# Altium PCB FLY_PCB1.PcbDoc
Units mm, origin at the board's own origin, x right, y up, seen from the top; angles counter-clockwise.
Board outline 100 x 100 mm, 2 copper layers (Top Layer, Bottom Layer), stack 0.533 mm thick; 121 components, 88 nets, 390 pads, 557 vias.
Unrouted connection lines stored in the file: 59.
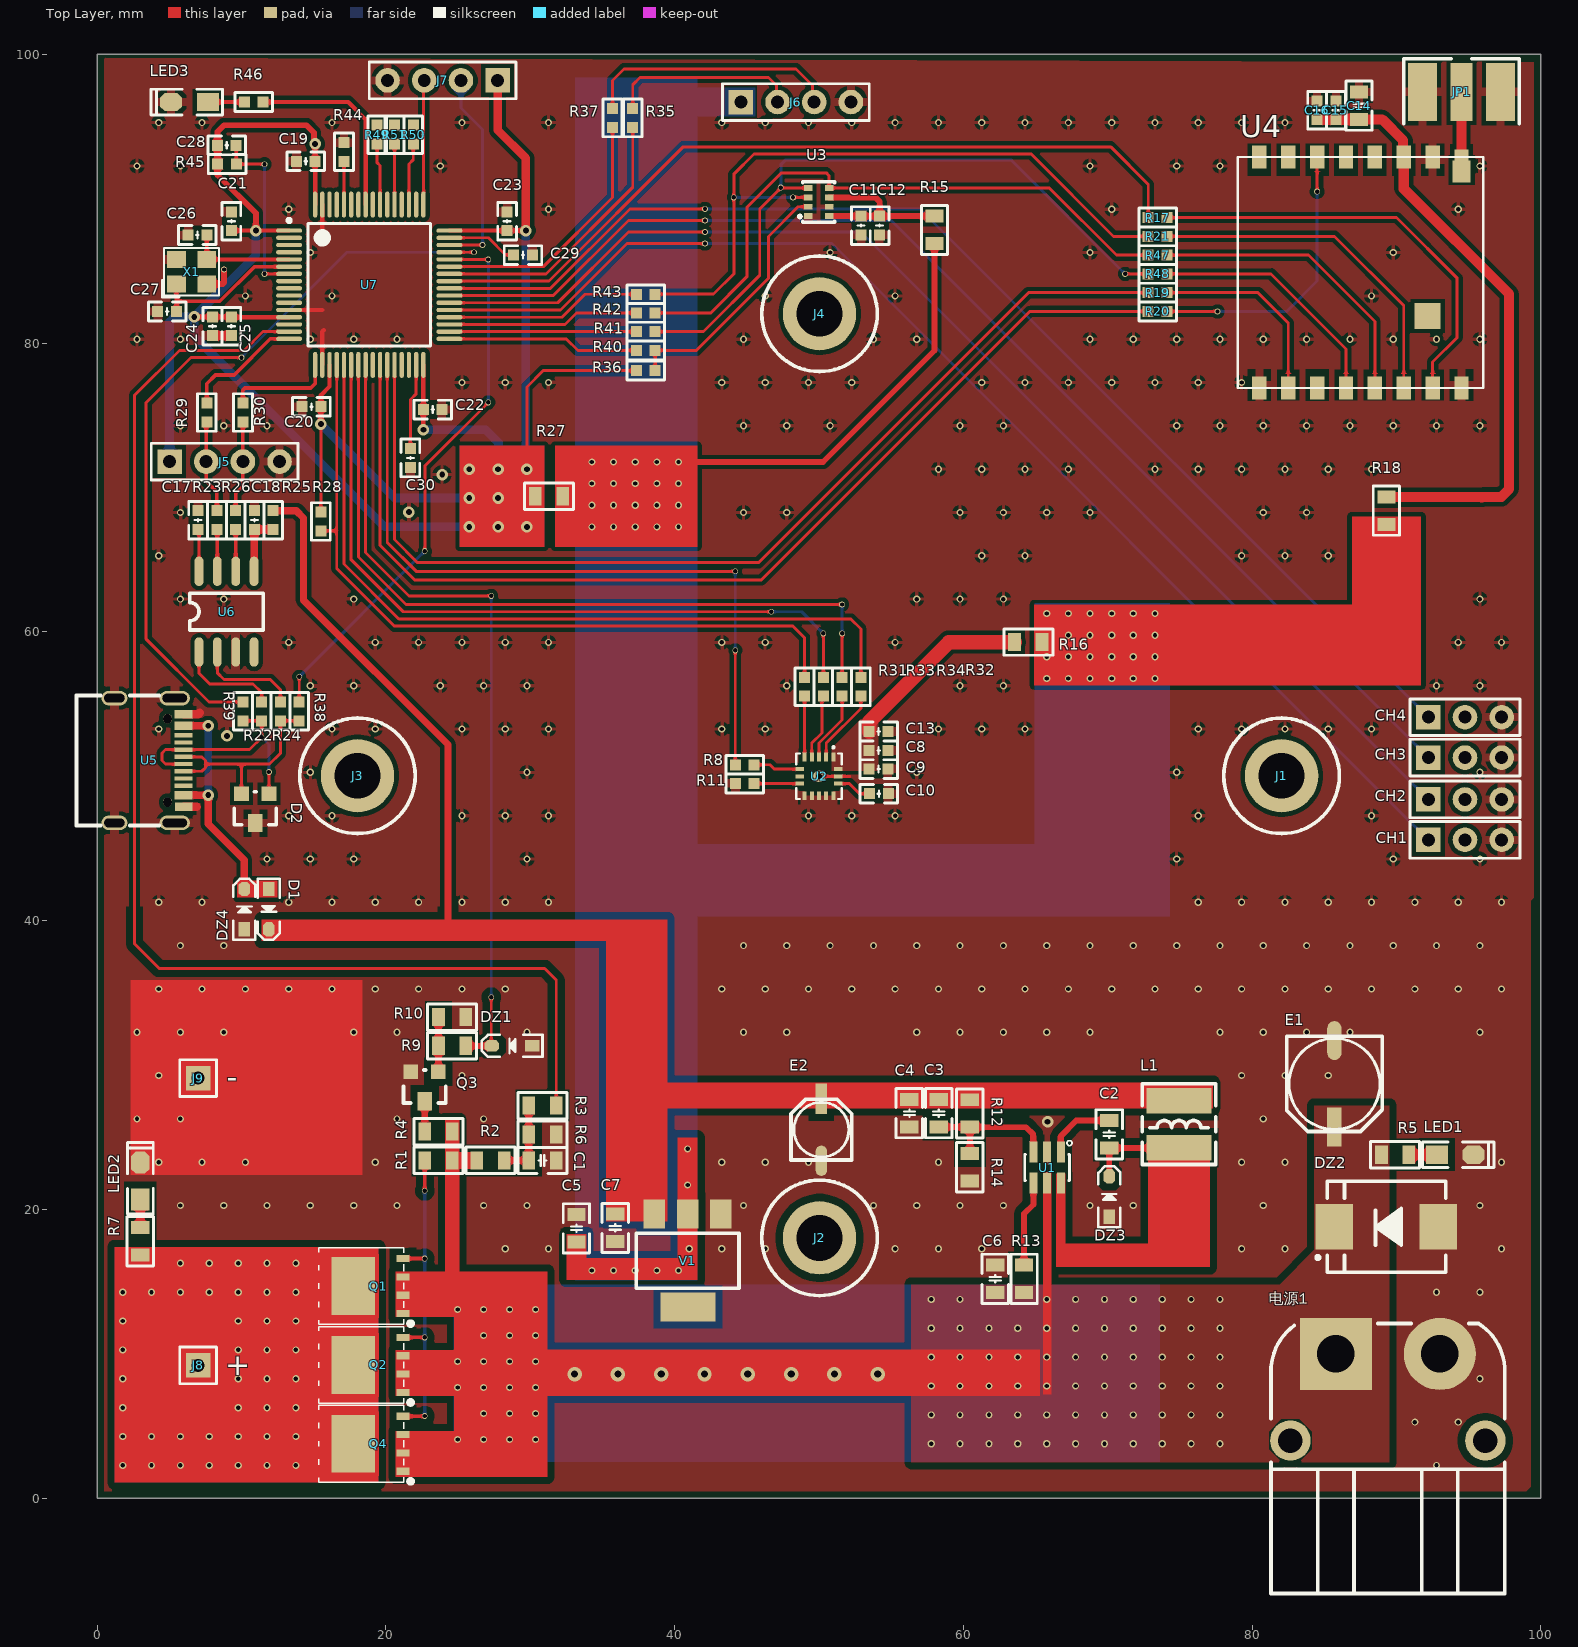
[diagram p0: Top Layer view]
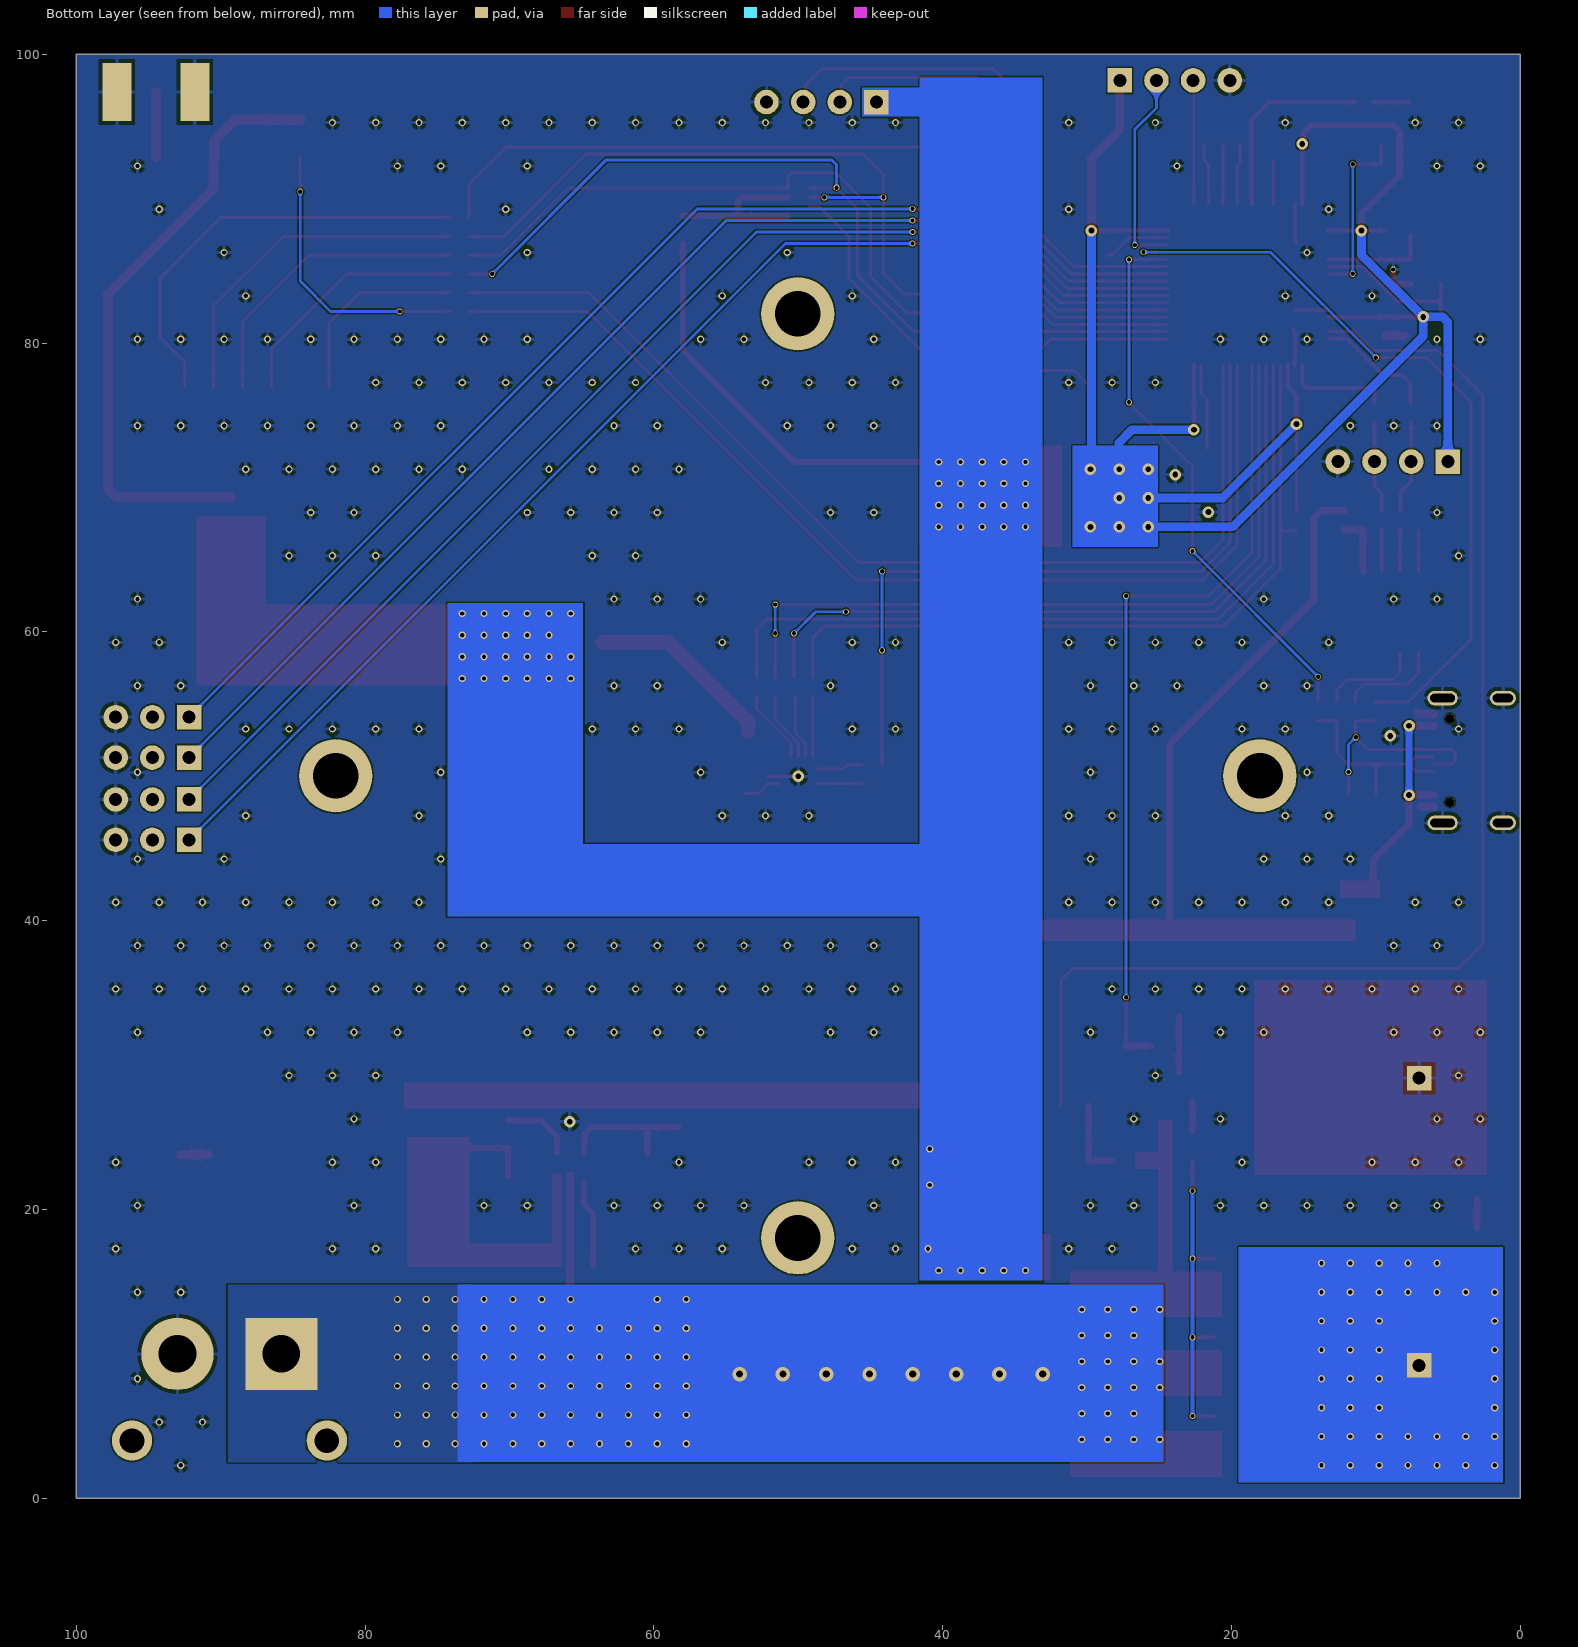
[diagram p1: Bottom Layer view, seen from below]

## Layer stack, top to bottom
Top Solder: solder mask 0.0102, Solder Resist, Dk 3.5
Top Layer: signal copper 0.0356
Dielectric 2: prepreg 0.0711, PP-006, Dk 4.1
Dielectric 1: dielectric 0.32, FR-4, Dk 4.8
Dielectric 3: prepreg 0.0711, PP-006, Dk 4.1
Bottom Layer: signal copper 0.0356
Bottom Solder: solder mask 0.0102, Solder Resist, Dk 3.5

## Board outline
0,0 100,0 100,100 0,100

## Design rules (kind name [scope] priority, off if disabled: settings)
Clearance Clearance_23 [InNamedPolygon('NONET_L01_P008')] p1: gap=0.3 ignorepadtopadclearanceinfootprint=FALSE
Clearance Clearance_22 [InNamedPolygon('GND_L01_P007')] p2: gap=0.3 ignorepadtopadclearanceinfootprint=FALSE
Clearance Clearance_21 [InNamedPolygon('GND_L02_P007')] p3: gap=0.5 ignorepadtopadclearanceinfootprint=FALSE
Clearance Clearance_20 [InNamedPolygon('GND_L01_P006')] p4: gap=0.5 ignorepadtopadclearanceinfootprint=FALSE
Clearance Clearance_19 [InNamedPolygon('GND_L01_P006')] p5: gap=0.8 ignorepadtopadclearanceinfootprint=FALSE
Clearance Clearance_18 [InNamedPolygon('GND_L01_P006')] p6: gap=0.5 ignorepadtopadclearanceinfootprint=FALSE
Clearance Clearance_17 [InNamedPolygon('GND_L01_P006')] p7: gap=0.3 ignorepadtopadclearanceinfootprint=FALSE
Clearance Clearance_16 [InNamedPolygon('GND_L01_P005')] p8: gap=0.27 ignorepadtopadclearanceinfootprint=FALSE
Clearance Clearance_15 [InNamedPolygon('GND_L01_P005')] p9: gap=0.26 ignorepadtopadclearanceinfootprint=FALSE
Clearance Clearance_14 [OnLayer('Mechanical 1')] p10: gap=5 ignorepadtopadclearanceinfootprint=FALSE
Clearance Clearance_13 [OnLayer('Keep-Out Layer')] p11: gap=5 ignorepadtopadclearanceinfootprint=FALSE
Clearance Clearance_12 [InNamedPolygon('GND_L01_P004')] p12: gap=0.26 ignorepadtopadclearanceinfootprint=FALSE
Clearance Clearance_11 [InNamedPolygon('GND_L01_P004')] p13: gap=0.3 ignorepadtopadclearanceinfootprint=FALSE
Clearance Clearance_10 [InNamedPolygon('3V3_ICM_L01_P002')] p14: gap=0.15 ignorepadtopadclearanceinfootprint=FALSE
Clearance Clearance_9 [InNamedPolygon('3V3_ICM_L01_P002')] p15: gap=0.2 ignorepadtopadclearanceinfootprint=FALSE
Clearance Clearance_8 [InNamedPolygon('GND_L01_P003')] p16: gap=0.3 ignorepadtopadclearanceinfootprint=FALSE
Clearance Clearance_7 [InNamedPolygon('GND_L01_P003')] p17: gap=0.254 ignorepadtopadclearanceinfootprint=FALSE
Clearance Clearance_6 [InNamedPolygon('GND_L01_P003')] p18: gap=0.2 ignorepadtopadclearanceinfootprint=FALSE
Clearance Clearance_5 [InNamedPolygon('3V3_ICM_L01_P002')] p19: gap=0.254 ignorepadtopadclearanceinfootprint=FALSE except(0: Arc-Hole Track-Hole SMDPad-Hole THPad-Hole Via-Hole Fill-Hole Poly-Hole Region-Hole Text-Hole)
Clearance Clearance_4 [InNamedPolygon('3V3_ICM_L01_P002')] p20: gap=0.2 ignorepadtopadclearanceinfootprint=FALSE
Clearance Clearance_3 [InNamedPolygon('3V3_ICM_L01_P002')] p21: gap=0.2 ignorepadtopadclearanceinfootprint=FALSE
Clearance Clearance_2 [InNamedPolygon('GND_L01_P003')] p22: gap=0.3 ignorepadtopadclearanceinfootprint=FALSE
Clearance Clearance_1 [InNamedPolygon('3V3_ICM_L01_P002')] p23: gap=0.2 ignorepadtopadclearanceinfootprint=FALSE
Clearance [All] p24: gap=0.1 ignorepadtopadclearanceinfootprint=FALSE
HoleSize [All] p1: absolutevalues=TRUE maxlimit=10 minlimit=0.025 maxpercent=80.000 minpercent=20.000
MinimumSolderMaskSliver [All] p1: minsoldermaskwidth=0.15
PlaneConnect [All] p1: planeconnectstyle=Direct reliefexpansion=0.508 reliefentries=4 reliefconductorwidth=0.254 reliefairgap=0.254
PolygonConnect PolygonConnect_11 [All vs IsNamedPolygon('NONET_L01_P008')] p1: thpad.connectstyle=Relief thpad.reliefconductorwidth=0.6 thpad.reliefentries=4 thpad.polygonreliefangle="90 Angle" thpad.airgapwidth=0.3 smdpad.connectstyle=Relief smdpad.reliefconductorwidth=0.6 smdpad.reliefentries=4 smdpad.polygonreliefangle="90 Angle" smdpad.airgapwidth=0.3 via.connectstyle=Relief via.reliefconductorwidth=0.254 via.reliefentries=4 via.polygonreliefangle="90 Angle" via.airgapwidth=0.254
PolygonConnect PolygonConnect_10 [All vs IsNamedPolygon('GND_L01_P007')] p2: thpad.connectstyle=Relief thpad.reliefconductorwidth=0.6 thpad.reliefentries=4 thpad.polygonreliefangle="90 Angle" thpad.airgapwidth=0.3 smdpad.connectstyle=Relief smdpad.reliefconductorwidth=0.6 smdpad.reliefentries=4 smdpad.polygonreliefangle="90 Angle" smdpad.airgapwidth=0.3 via.connectstyle=Relief via.reliefconductorwidth=0.254 via.reliefentries=4 via.polygonreliefangle="90 Angle" via.airgapwidth=0.254
PolygonConnect PolygonConnect_9 [All vs IsNamedPolygon('GND_L02_P007')] p3: connectstyle=Direct reliefconductorwidth=0.254 reliefentries=4 polygonreliefangle="90 Angle" airgapwidth=0.254
PolygonConnect PolygonConnect_8 [All vs IsNamedPolygon('GND_L01_P006')] p4: connectstyle=Direct reliefconductorwidth=0.254 reliefentries=4 polygonreliefangle="90 Angle" airgapwidth=0.254
PolygonConnect PolygonConnect_7 [All vs IsNamedPolygon('GND_L01_P005')] p5: connectstyle=Direct reliefconductorwidth=0.254 reliefentries=4 polygonreliefangle="90 Angle" airgapwidth=0.254
PolygonConnect PolygonConnect_6 [All vs IsNamedPolygon('GND_L01_P004')] p6: connectstyle=Direct reliefconductorwidth=0.254 reliefentries=4 polygonreliefangle="90 Angle" airgapwidth=0.254
PolygonConnect PolygonConnect_5 [All vs IsNamedPolygon('GND_L01_P003')] p7: connectstyle=Direct reliefconductorwidth=0.254 reliefentries=4 polygonreliefangle="90 Angle" airgapwidth=0.254
PolygonConnect PolygonConnect_4 [All vs IsNamedPolygon('3V3_ICM_L01_P002')] p8: connectstyle=Direct reliefconductorwidth=0.254 reliefentries=4 polygonreliefangle="90 Angle" airgapwidth=0.254
PolygonConnect PolygonConnect_3 [All vs IsNamedPolygon('3V3_ICM_L01_P002')] p9: connectstyle=Direct reliefconductorwidth=0.254 reliefentries=4 polygonreliefangle="90 Angle" airgapwidth=0.254
PolygonConnect PolygonConnect_2 [All vs IsNamedPolygon('12V_L02_P001')] p10: connectstyle=Direct reliefconductorwidth=0.254 reliefentries=4 polygonreliefangle="90 Angle" airgapwidth=0.254
PolygonConnect PolygonConnect_1 [All vs IsNamedPolygon('12V_L01_P000')] p11: connectstyle=Direct reliefconductorwidth=0.254 reliefentries=4 polygonreliefangle="90 Angle" airgapwidth=0.254
PolygonConnect [All] p12: connectstyle=Relief reliefconductorwidth=0.254 reliefentries=4 polygonreliefangle="90 Angle" airgapwidth=0.254
RoutingVias [All] p1: holewidth=0.2 width=0.3 viastyle="Through Hole" minholewidth=0.15 minwidth=0.25 maxholewidth=0.711 maxwidth=1.27
SilkToSilkClearance [All] p1: silktosilkclearance=0
SilkToSolderMaskClearance [IsPad] p1: minsilkscreentomaskgap=0 clearancetoexposedcopper=TRUE
SolderMaskExpansion [All] p1: expansion=0.102 istentingtop=FALSE
Width [All] p1: maxlimit=10 minlimit=0.1 preferedwidth=0.254
25 further rules are at their usual default settings.

## Classes and differential pairs
component class SENSOR: C8 C9 C10 C11 C12 C13 R8 R11 R15 R16 U2 U3
component class POWER: 1.3 C1 C2 C3 C4 C5 C6 C7 DZ1 DZ2 DZ3 E1 E2 J1 J2 J3 J4 J8 J9 L1 LED1 LED2 Q1 Q2 Q3 Q4 R1 R2 R3 R4 R5 R6 R7 R9 R10 R12 R13 R14 U1 V1 电源1
component class MCU: 1.3 C19 C20 C21 C22 C23 C24 C25 C26 C27 C28 C29 C30 CH1 CH2 CH3 CH4 J6 J7 LED3 R27 R28 R29 R30 R31 R32 R33 R34 R35 R36 R37 R38 R39 R40 R41 R42 R43 R44 R45 R46 R49 R50 R51 U7 X1
component class COMMUNICATION: C14 C15 C16 C17 C18 D1 D2 DZ4 J5 JP1 R17 R18 R19 R20 R21 R22 R23 R24 R25 R26 R47 R48 U4 U5 U6

## Components (designator, comment, footprint, x,y, rotation, side; value= is the part's Value field where it differs from the comment)
C1 "100nF" "C 0805_L" 30.85,23.4 r180 top
C2 "100nF" "C 0805_L" 70.104,25.211 r90 top
C3 "100pF" "C 0805_L" 58.293,26.67 r90 top
C4 "22uF" "C 0805_L" 56.261,26.67 r90 top
C5 "22uF" "C 0805_L" 33.2,18.7 r270 top
C6 "10uF" "C 0805_L" 62.2,15.2 r270 top
C7 "10uF" "C 0805_L" 35.885,18.73 r90 top
C8 "100nF" "C 0603_L" 54.127,51.8 r180 top
C9 "2.2uF" "C 0603_L" 54.127,50.5 r180 top
C10 "100nF" "C 0603_L" 54.15,48.8 r180 top
C11 "100nF" "C 0603_L" 52.9,88.15 r270 top
C12 "100nF" "C 0603_L" 54.2,88.15 r270 top
C13 "10nF" "C 0603_L" 54.127,53.1 r180 top
C14 "22uF" "C 0805_L" 87.4,96.45 r270 top
C15 "100nF" "C 0603_L" 85.8,96.127 r270 top
C16 "100uF" "C 0603_L" 84.5,96.127 r270 top
C17 "100nF" "C 0603_L" 7,67.75 r270 top
C18 "100nF" "C 0603_L" 10.9,67.75 r90 top
C19 "100nF" "C 0603_L" 14.45,92.6 r0 top
C20 "100nF" "C 0603_L" 14.85,75.6 r0 top
C21 "100nF" "C 0603_L" 9.3,88.45 r270 top
C22 "100nF" "C 0603_L" 23.25,75.4 r180 top
C23 "100nF" "C 0603_L" 28.4,88.45 r270 top
C24 "4.7uF" "C 0603_L" 8,81.173 r90 top
C25 "100nF" "C 0603_L" 9.3,81.173 r90 top
C26 "12pF" "C 0603_L" 6.95,87.5 r0 top
C27 "12pF" "C 0603_L" 4.85,82.2 r0 top
C28 "100nF" "C 0603_L" 8.987,93.708 r0 top
C29 "2.2uF" "C 0603_L" 29.5,86.1 r180 top
C30 "2.2uF" "C 0603_L" 21.7,72.05 r90 top
CH1 "CON3" HDR2.54-LI-3P 94.74,45.6 r0 top
CH2 "CON3" HDR2.54-LI-3P 94.74,48.4 r0 top
CH3 "CON3" HDR2.54-LI-3P 94.74,51.3 r0 top
CH4 "CON3" HDR2.54-LI-3P 94.74,54.1 r0 top
D1 "B5819WS" SOD-323 11.9,40.8 r270 top
D2 "ESD5302F-3/TR" SOT-23 12.029,48.816 r180 top
DZ1 "SD05" SOD-323 28.74,31.332 r180 top
DZ2 "SMDJ15A" SMC 89.3,18.8 r180 top
DZ3 "B5819WS" SOD-323 70.104,20.89 r90 top
DZ4 "SD05" SOD-323 10.2,40.8 r90 top
E1 "47uF/30V" "CM D(6.3*7.7)" 85.7,28.7 r270 top
E2 "47uF/10V" "CM B(4*5.4)" 50.165,25.527 r90 top
J1 "CON1" M3x5+6_L 82.038,50.038 r0 top
J2 "CON1" M3x5+6_L 50.038,18.038 r0 top
J3 "CON1" M3x5+6_L 18.038,50.038 r0 top
J4 "CON1" M3x5+6_L 50.038,82.038 r0 top
J5 "CON4" HDR2.54-LI-4P 8.83,71.8 r0 top
J6 "CON4" HDR2.54-LI-4P 48.4,96.7 r0 top
J7 "CON4" HDR2.54-LI-4P 23.93,98.2 r180 top
J8 "+" HDR2.54-LI-1P 7,9.2 r0 top
J9 "-" HDR2.54-LI-1P 7,29.1 r0 top
JP1 "SMA WIFI 天线接口" SMA-KE 94.5,97.4 r0 top
L1 "6.8uH" CD42 74.93,25.908 r90 top
LED1 "红色" "LED 0805R" 94.07,23.8 r0 top
LED2 "白色" "LED 0805B" 3,21.97 r90 top
LED3 "绿色" "LED 0805G" 6.4,96.7 r180 top
Q1 "AON6407-MS" TDSON-8_L5.9-W5.2-P1.27-BL 19.403,14.698 r90 top
Q2 "AON6407-MS" TDSON-8_L5.9-W5.2-P1.27-BL 19.403,9.237 r90 top
Q3 "2N7002" SOT-23 23.764,29.548 r180 top
Q4 "AON6407-MS" TDSON-8_L5.9-W5.2-P1.27-BL 19.403,3.776 r90 top
R1 "100K" "R 0805_L" 23.65,23.4 r180 top
R2 "1.8k" "R 0805_L" 27.25,23.4 r180 top
R3 "0R" "R 0805_L" 30.85,27.2 r0 top
R4 "10K" "R 0805_L" 23.65,25.4 r0 top
R5 "" "R 0805_L" 89.9,23.8 r0 top
R6 "300R" "R 0805_L" 30.85,25.2 r0 top
R7 "" "R 0805_L" 3,17.8 r90 top
R8 "" "R 0603_L" 44.85,50.8 r180 top
R9 "1K" "R 0805_L" 24.59,31.332 r180 top
R10 "10K" "R 0805_L" 24.59,33.332 r180 top
R11 "" "R 0603_L" 44.85,49.5 r180 top
R12 "5.1k" "R 0805_L" 60.452,26.655 r90 top
R13 "1M" "R 0805_L" 64.2,15.2 r90 top
R14 "1k" "R 0805_L" 60.452,22.926 r90 top
R15 "200Ω 100Mhz" "R 0805_L" 58,87.85 r90 top
R16 "200Ω 100Mhz" "R 0805_L" 64.5,59.3 r180 top
R17 "0R" "R 0603_L" 73.45,88.7 r0 top
R18 "600Ω 100Mhz" "R 0805_L" 89.3,68.4 r90 top
R19 "0R" "R 0603_L" 73.45,83.5 r0 top
R20 "0R" "R 0603_L" 73.45,82.2 r0 top
R21 "0R" "R 0603_L" 73.45,87.4 r0 top
R22 "0R" "R 0603_L" 11.4,54.5 r90 top
R23 "0R" "R 0603_L" 8.3,67.75 r90 top
R24 "0R" "R 0603_L" 12.7,54.5 r90 top
R25 "0R" "R 0603_L" 12.2,67.75 r90 top
R26 "0R" "R 0603_L" 9.6,67.75 r90 top
R27 "600Ω 100Mhz" "R 0805_L" 31.3,69.4 r180 top
R28 "10K" "R 0603_L" 15.5,67.65 r90 top
R29 "" "R 0603_L" 7.6,75.2 r270 top
R30 "" "R 0603_L" 10.1,75.2 r270 top
R31 "" "R 0603_L" 49,56.2 r270 top
R32 "" "R 0603_L" 52.9,56.2 r270 top
R33 "" "R 0603_L" 50.3,56.2 r270 top
R34 "" "R 0603_L" 51.6,56.2 r270 top
R35 "" "R 0603_L" 37.1,95.6 r90 top
R36 "10K" "R 0603_L" 38,78.1 r180 top
R37 "" "R 0603_L" 35.7,95.6 r90 top
R38 "" "R 0603_L" 14,54.5 r270 top
R39 "" "R 0603_L" 10.1,54.5 r270 top
R40 "" "R 0603_L" 38,79.5 r0 top
R41 "" "R 0603_L" 38,80.8 r0 top
R42 "" "R 0603_L" 38,82.1 r0 top
R43 "" "R 0603_L" 38.004,83.389 r0 top
R44 "10K" "R 0603_L" 17.1,93.25 r90 top
R45 "10K" "R 0603_L" 9,92.4 r180 top
R46 "" "R 0603_L" 10.85,96.7 r180 top
R47 "0R" "R 0603_L" 73.45,86.1 r0 top
R48 "0R" "R 0603_L" 73.45,84.8 r0 top
R49 "" "R 0603_L" 19.4,94.45 r90 top
R50 "" "R 0603_L" 21.9,94.45 r90 top
R51 "" "R 0603_L" 20.6,94.45 r90 top
U1 "ME3116" SOT23-6 65.8,22.9 r0 top
U2 "ICM-20602" LGA-16_L3.0-W3.0-P0.50-BL 50,50 r180 top locked
U3 "BMP280" LGA-8_L2.5-W2.0-P0.65_AMP6127 49.975,89.775 r180 top
U4 "Ra-01S" RA-01SCH-P-TJFZ 79,92.9 r270 top
U5 "GT-USB-7010ASV" USB-C-SMD_G-SWITCH_GT-USB-7010ASV 3.6,51.1 r270 top
U6 "CH340N_C2977777" SOP8 7.035,58.637 r90 top
U7 "STM32F405RGT6" STM-LQFP64_N 18.85,84.05 r0 top
V1 "AMS1117-3V3" SOT-223 40.965,16.383 r180 top
X1 "8M" "OSC 3225-4P" 6.55,84.95 r0 top
电源1 "CON2" TX60PW-M20 89.4,7 r0 top

## Footprints (in the part's own frame and the unit in brackets; to place one, negate y for a bottom-side part, rotate by r counter-clockwise, add the part's x,y. Pads: shape width x height; smd on the part's side, far side on the other; paste and mask are expansions set on the pad)
"C 0603_L" [mil] "无极性贴片电容"
  rect 30x30 smd: 1(-25.59,0) 2(25.59,0)
  silkscreen extent -51,-26 51,26, body extent -31,-16 31,16, height 32
"C 0805_L" [mil] "无极性贴片电容"
  rect 35x50 smd: 1(-37.4,0) 2(37.4,0)
  silkscreen extent -67,-36 67,36, body extent -39,-24 39,24, height 20
CD42 [mm] "4.5*4*2mm（长宽高）"
  rect 1.75x4.5 smd: 1(-1.625,0) 2(1.625,0)
  silkscreen extent -2.79,-2.54 2.79,2.54, body extent -2.21,-2 2.21,2, height 2.1
"CM B(4*5.4)" [mm] "贴片电解电容，直径4mm，高5.4mm"
  rect 2.1x0.8 smd: 1(2.15,0)
  oval 2.1x0.8 smd: 2(-2.15,0)
  silkscreen extent -2.1,-2.1 2.1,2.1, body extent -2.3,-2.12 2.3,2.18, height 5.4
"CM D(6.3*7.7)" [mm] "贴片电解电容，直径6.3mm，高7.7mm"
  rect 2.7x1 smd: 1(3,0)
  oval 2.7x1 smd: 2(-3,0)
  silkscreen extent -3.3,-3.3 3.3,3.3, body extent -3.5,-3.3 3.5,3.3, height 7.7
HDR2.54-LI-1P [mm] "排针，1脚"
  rect 1.7x1.7 hole 0.9: 1(0,0)
  silkscreen extent -1.27,-1.27 1.27,1.27, body extent -1.27,-1.27 1.27,1.27, height 8.5
HDR2.54-LI-3P [mm] "排针，3脚"
  rect 1.7x1.7 hole 0.9: 1(-2.54,0)
  round 1.7 hole 0.9: 2(0,0) 3(2.54,0)
  silkscreen extent -3.81,-1.27 3.81,1.27, body extent -3.81,-1.27 3.81,1.27, height 8.5
HDR2.54-LI-4P [mm] "排针，4脚"
  rect 1.7x1.7 hole 0.9: 1(-3.81,0)
  round 1.7 hole 0.9: 2(-1.27,0) 3(1.27,0) 4(3.81,0)
  silkscreen extent -5.08,-1.27 5.08,1.27, body extent -5.08,-1.27 5.08,1.27, height 8.5
"LED 0805B" [mil] "蓝色0805LED"
  rect 60x50 smd: 1(-50,0)
  oct 60x50 smd: 2(50,0)
  silkscreen extent -90,-35 105,35, body extent -39,-25 39,25, height 32
"LED 0805G" [mil] "绿色0805LED"
  rect 60x50 smd: 1(-50,0)
  oct 60x50 smd: 2(50,0)
  silkscreen extent -90,-35 105,35, body extent -39,-25 39,25, height 32
"LED 0805R" [mil] "红色0805LED"
  rect 60x50 smd: 1(-50,0)
  oct 60x50 smd: 2(50,0)
  silkscreen extent -90,-35 105,35, body extent -39,-25 39,25, height 32
LGA-8_L2.5-W2.0-P0.65_AMP6127 [mm]
  rect 0.6x0.4 smd paste+0 mask+0.051: 1(0.725,0.975) 2(0.725,0.325) 3(0.725,-0.325) 4(0.725,-0.975) 5(-0.725,-0.975) 6(-0.725,-0.325) 7(-0.725,0.325) 8(-0.725,0.975)
  silkscreen extent -1.1,-1.4 1.4,1.4
LGA-16_L3.0-W3.0-P0.50-BL [mm]
  rect 0.28x0.6 smd paste+0 mask+0.051: 1(-1,-1.342) 2(-0.5,-1.342) 3(0,-1.342) 4(0.5,-1.342) 5(1,-1.342) 9(1,1.342) 10(0.5,1.342) 11(0,1.342) 12(-0.5,1.342) 13(-1,1.342)
  rect 0.6x0.28 smd paste+0 mask+0.051: 6(1.342,-0.5) 7(1.342,0) 8(1.342,0.5) 14(-1.342,0.5) 15(-1.342,0) 16(-1.342,-0.5)
  silkscreen extent -1.58,-2.08 1.58,1.58
M3x5+6_L [mm] "M3铜柱，长：5mm，螺纹长：6mm"
  round 5.08 hole 3.175: 1(0,0)
  silkscreen extent -4,-4 4,4, body extent -2.7,-2.35 2.7,2.35, height 5.05
"OSC 3225-4P" [mm] "3.2*2.5*0.7mm(长宽高)"
  rect 1.3x1.2 smd: 1(-1.05,-0.85) 2(1.05,-0.85) 3(1.05,0.85) 4(-1.05,0.85)
  silkscreen extent -2.03,-1.75 1.91,1.65, body extent -1.6,-1.25 1.6,1.25, height 0.7
"R 0603_L" [mil] "1/10W贴片电阻"
  rect 30x30 smd: 1(-25.59,0) 2(25.59,0)
  silkscreen extent -51,-26 51,26, body extent -31,-16 32,16, height 16
"R 0805_L" [mil] "1/8W贴片电阻"
  rect 35x50 smd: 1(-37.4,0) 2(37.4,0)
  silkscreen extent -67,-36 67,36, body extent -39,-25 39,25, height 20
RA-01SCH-P-TJFZ [mm]
  rrect0% 1x1 smd: 1(0,15.5)
  rect 1.524x1.27 smd: 1/1(1,15.5)
  rect 1.6x1 smd: 2(0,13.5) 3(0,11.5) 4(0,9.5) 5(0,7.5) 6(0,5.5) 7(0,3.5) 8(0,1.5) 9(16,1.5) 10(16,3.5) 11(16,5.5) 12(16,7.5) 13(16,9.5) 14(16,11.5) 15(16,13.5) 16(16,15.5)
  rect 1.8x1.8 smd: 17(11.025,13.157)
  silkscreen extent 0,0 16,17
SMA-KE [mm] "SMA 偏脚射频天线座"
  rect 1.5x4 smd: 1(0,0)
  rect 2x4 smd: 2(-2.7,0) 2(2.7,0)
  rect 2x4 smd far side: 3(-2.7,0) 3(2.7,0)
  silkscreen extent -4,-2.2 4,2.3, body extent -3.25,-1.3 3.25,12.2, height 3.75